# Altium PCB GridSeed_Rev04.PcbDoc (part 5 of 6) (continued)
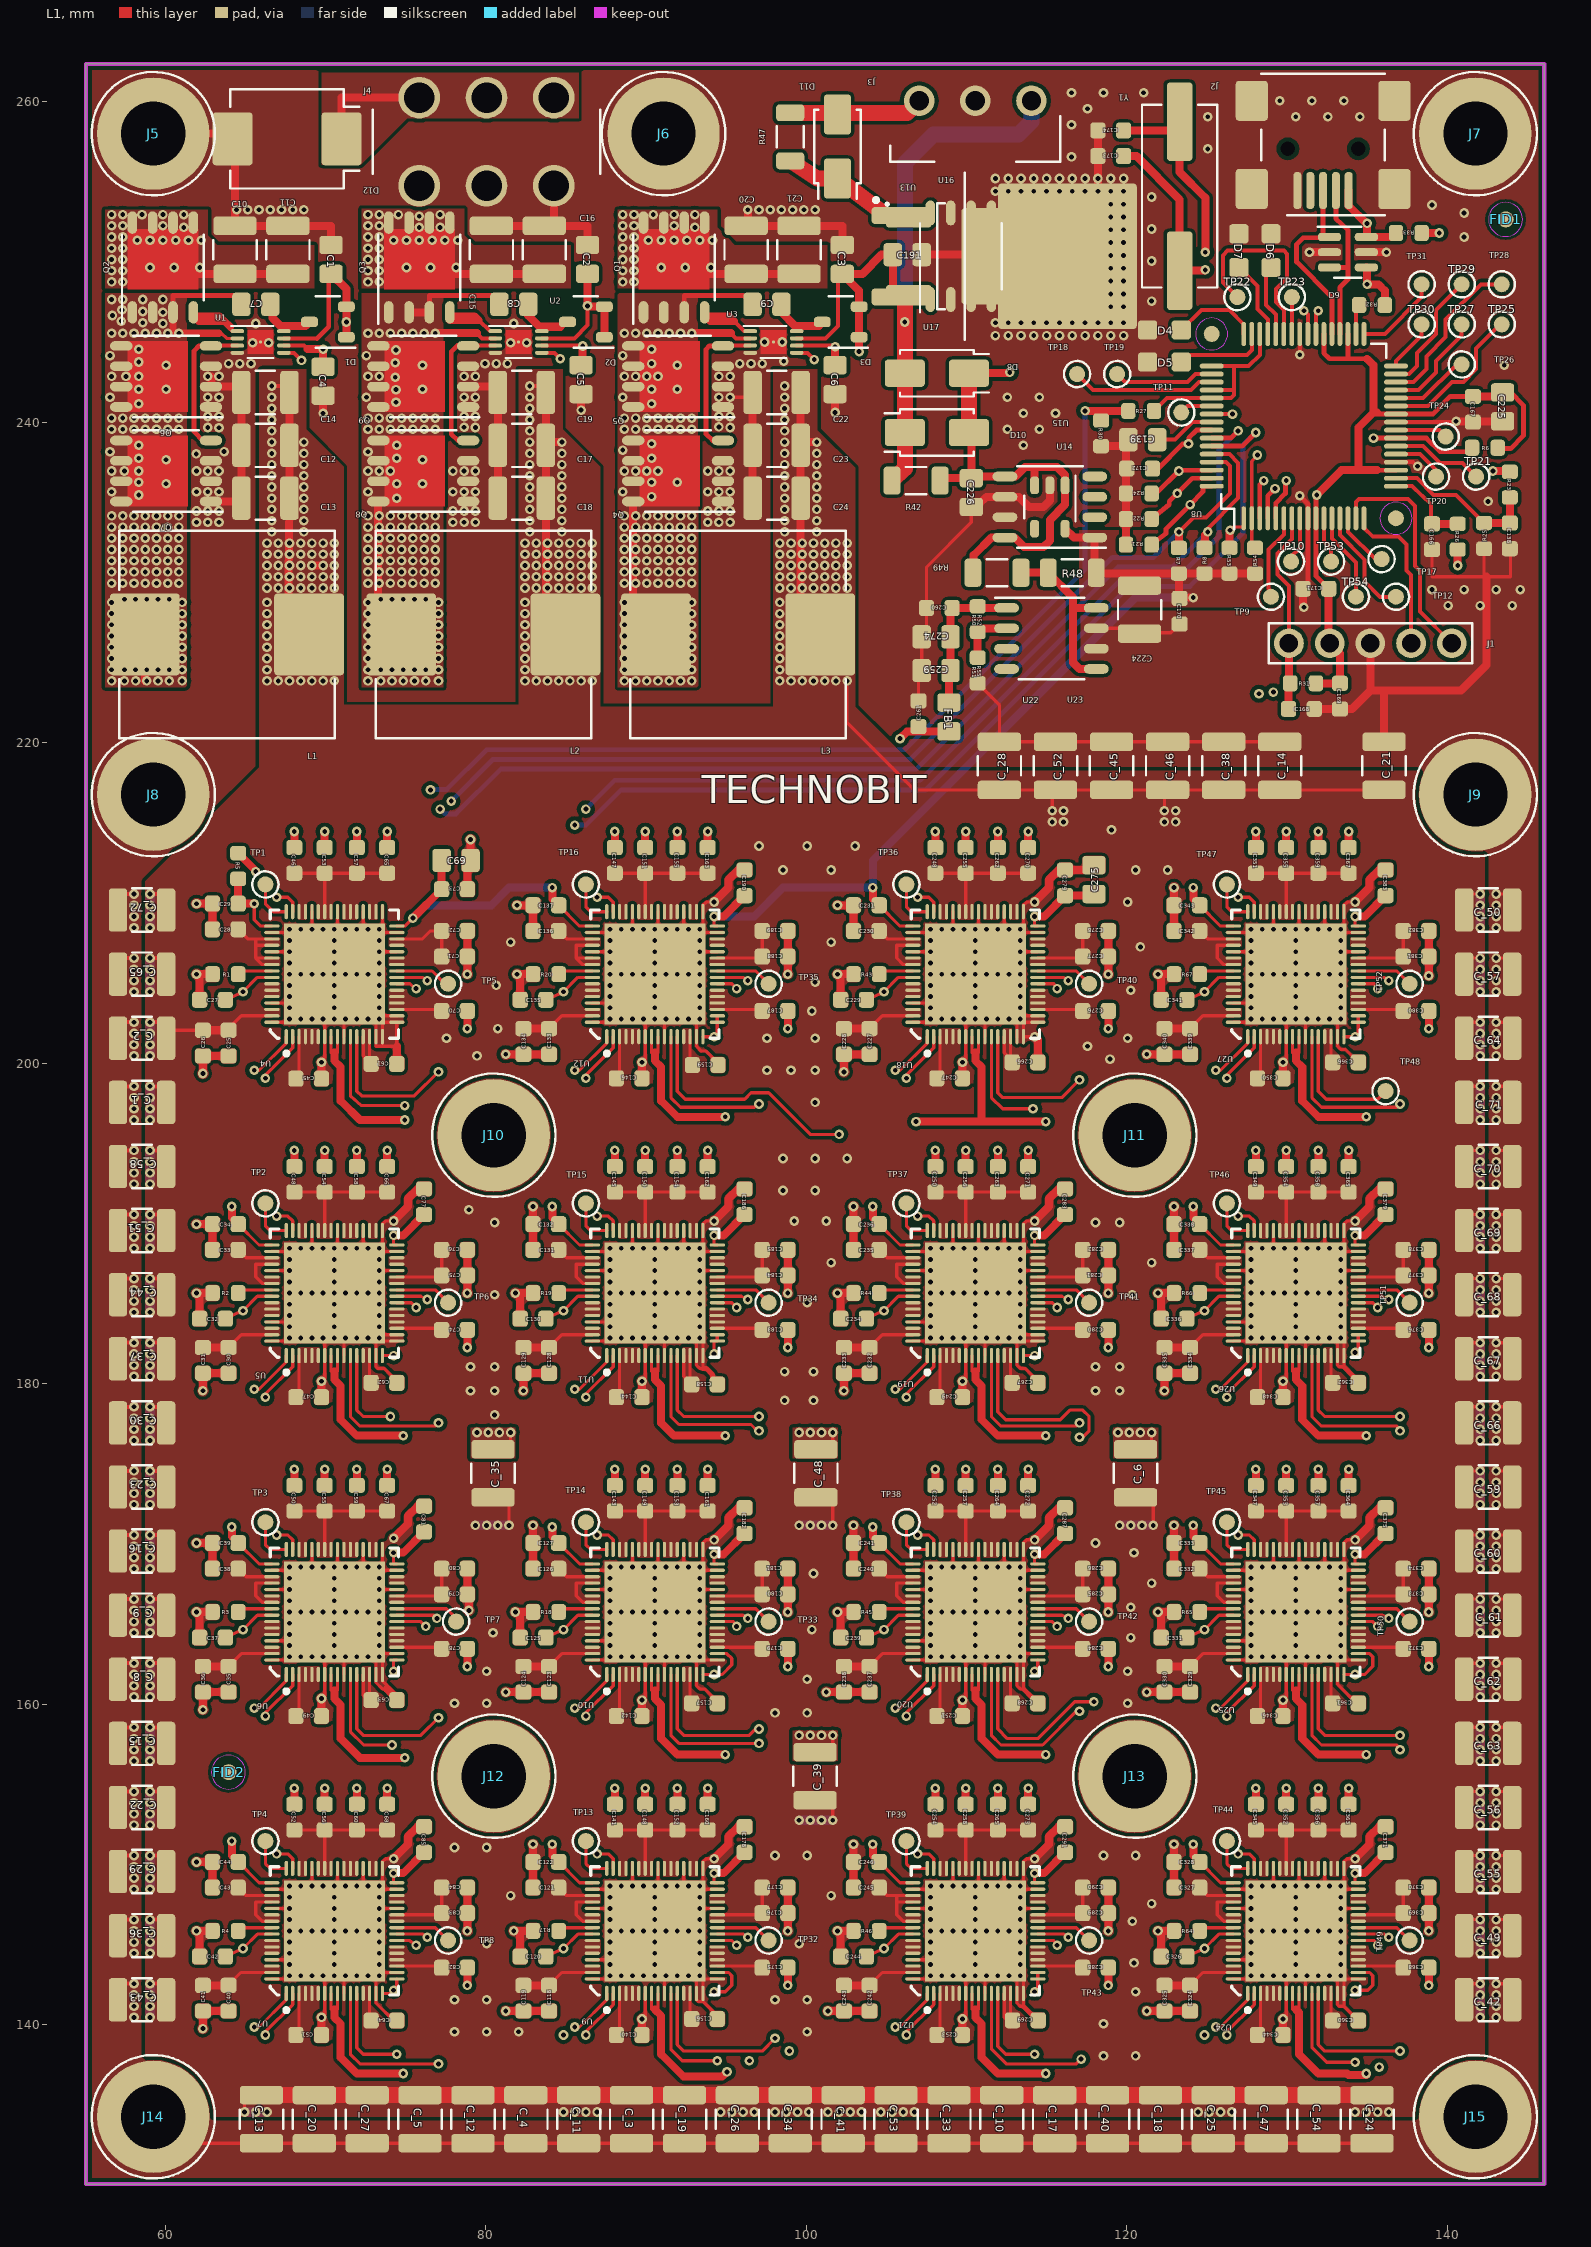
[diagram p0: L1 view]
## Nets (pads, with @x,y where several pads share a name; then routed paths per layer and width w, separated by ;. In a path a pad name is that pad's centre, name@x,y a point inside that pad or via, vN(x,y) a via of type N, cw(c..) or ccw(c..) an arc to the next point about the centre after c; other vN are vias at no path point) (continued)
PGC: J1.5 U8.15 | length 14.5
  L1 w0.25: U8.15@134.3,234 134.3,235 134.5,235.2 137.55,235.2 137.975,234.775 137.975,231.025 138.3,230.7 138.3,228.18 J1.5@140.28,226.2
PGD: J1.4 U8.16 | length 10
  L1 w0.25: U8.16@134.8,234 134.8,233.4 135.35,232.85 136.95,232.85 137.45,232.35 137.45,230.75 137.74,230.46 J1.4@137.74,226.2
PLL_SUP: C259.1 C260.1 C274.1 FB1.1 R50.1 R52.1 U22.1 U23.1 | length 9.7
  L1 w0.2: U23.1@112.45,228.405 U23.1@112.5,228.405 U23.1@112.551,228.405
  L1 w0.25: R52.1@110.65,228.405 R52.1@110.7,228.5
  L1 w0.5: FB1.1@108.9,222.5 108.9,224.4 C259.1@109,224.5 C274.1@109,226.6 109,228.3 109.105,228.405 R52.1@110.65,228.405 ; R52.1@110.7,228.5 110.65,228.45 R52.1@110.65,228.405 ; U23.1@112.45,228.405 R52.1@110.65,228.405 ; U23.1@112.551,228.405 U23.1@112.6,228.405
PWM2H: R22.1 U2.5 U8.63 | length 50.6
  L1 w0.25: U2.5@83.5,244.325 84.275,244.325 v1(84.65,243.95)
  L1 w0.3: R22.1@121.55,233.95 122.65,234.85 122.65,235.05 v1(123.15,235.55) 124.1,236.5 U8.63@125.3,236.5
  L3 w0.25: v1(84.65,243.95) 86.25,243.95 87.173,244.873 87.173,245.75 87.673,246.25 99.25,246.25 109.95,235.55 v1(123.15,235.55)
PWM2L: R24.1 U1.5 U8.62 | length 67.9
  L1 w0.25: U1.5@67.4,244.325 68.025,244.325 v1(68.5,243.85)
  L1 w0.3: R24.1@121.55,235.55 121.85,235.55 v1(123.25,236.95) 123.3,237 U8.62@125.3,237
  L3 w0.25: v1(68.5,243.85) 68.5,244.45 72.1,248.05 100.65,248.05 104.05,244.65 104.05,243.25 110.35,236.95 123.15,236.95 v1(123.25,236.95)
PWM3L: R21.1 U3.5 U8.64 | length 34.1
  L1 w0.25: U3.5@99.4,244.325 100.075,244.325 v1(100.5,243.9)
  L1 w0.3: R21.1@121.55,232.35 122.45,233.05 122.45,233.35 v1(123.95,234.85) 124.75,235.65 124.75,236 U8.64@125.3,236
  L3 w0.25: v1(100.5,243.9) 100.8,243.9 109.85,234.85 v1(123.95,234.85)
RED: D4.2 U8.48 | length 5.4
  L1 w0.25: D4.2@123.4,245.75 124.65,247 126.4,247 127.3,246.1 U8.48@127.3,245.5
RX_BTC_0: U4.1 U5.1 U6.1 U7.1 U8.59 U9.1 U10.1 U11.1 U12.1 | length 247.9
  L1 w0.2: v1(65.55,139.85) 65.85,139.85 67.55,141.55 U7.1@67.55,141.95 ; v1(65.55,159.75) 65.85,159.75 67.55,161.45 U6.1@67.55,161.85 ; v1(65.55,179.65) 65.85,179.65 67.55,181.35 U5.1@67.55,181.75 ; v1(65.55,199.55) 65.85,199.55 67.55,201.25 U4.1@67.55,201.65 ; v1(85.55,139.85) 85.85,139.85 87.55,141.55 U9.1@87.55,141.95 ; v1(85.55,159.75) 85.85,159.75 87.55,161.45 U10.1@87.55,161.85 ; v1(85.55,179.65) 85.85,179.65 87.55,181.35 U11.1@87.55,181.75 ; v1(85.55,199.55) 85.85,199.55 87.55,201.25 U12.1@87.55,201.65
  L1 w0.3: U8.59@125.3,238.5 127.2,238.5 v1(128.05,239.35)
  L2 w0.3: v1(65.55,139.85) v1(65.55,159.75) v1(65.55,179.65) v1(65.55,199.55) ; v1(85.55,139.85) v1(85.55,159.75) v1(85.55,179.65) v1(85.55,199.55) v1(85.55,214.85)
  L3 w0.3: v1(65.55,139.85) 65.55,137.85 68.95,134.45 82.45,134.45 87.05,139.05 87.05,139.75 86.55,140.25 85.95,140.25 v1(85.55,139.85)
  L4 w0.3: v1(85.55,214.85) 86.25,214.85 88.45,217.05 107.458,217.05 120.158,229.75 123.94,229.75 127.25,233.06 127.25,238.55 v1(128.05,239.35)
RX_BTC_1: U8.3 U18.1 U19.1 U20.1 U21.1 U24.1 U25.1 U26.1 U27.1 | length 211.2
  L1 w0.2: v1(105.55,139.85) 105.85,139.85 107.55,141.55 U21.1@107.55,141.95 ; v1(105.55,159.75) 105.85,159.75 107.55,161.45 U20.1@107.55,161.85 ; v1(105.55,179.65) 105.85,179.65 107.55,181.35 U19.1@107.55,181.75 ; v1(105.55,199.55) 105.85,199.55 107.55,201.25 U18.1@107.55,201.65 ; v1(125.55,139.85) 125.85,139.85 127.55,141.55 U24.1@127.55,141.95 ; v1(125.55,159.75) 125.85,159.75 127.55,161.45 U25.1@127.55,161.85 ; v1(125.55,179.65) 125.85,179.65 127.55,181.35 U26.1@127.55,181.75 ; v1(125.55,199.55) 125.85,199.55 127.55,201.25 U27.1@127.55,201.65
  L1 w0.3: U8.3@128.3,234 128.3,236.1 v1(128.55,236.35)
  L2 w0.3: v1(105.55,139.85) v1(105.55,159.75) v1(105.55,179.65) 105.55,192.05 104.85,192.75 104.85,197.95 105.55,198.65 v1(105.55,199.55) ; v1(125.55,139.85) v1(125.55,159.75) v1(125.55,179.65) v1(125.55,199.55) 125.55,230.452 128.55,233.452 v1(128.55,236.35)
  L3 w0.3: v1(105.55,139.85) 105.85,140.15 106.65,140.15 106.95,139.85 106.95,137.25 108.35,135.85 122.85,135.85 125.55,138.55 v1(125.55,139.85)
RX_LTC_0: U4.2 U5.2 U6.2 U7.2 U8.58 U9.2 U10.2 U11.2 U12.2 | length 242.4
  L1 w0.2: v1(66.25,139.35) 66.25,139.55 67.95,141.25 U7.2@67.95,141.95 ; v1(66.25,159.25) 66.25,159.45 67.95,161.15 U6.2@67.95,161.85 ; v1(66.25,179.15) 66.25,179.35 67.95,181.05 U5.2@67.95,181.75 ; v1(66.25,199.05) 66.25,199.25 67.95,200.95 U4.2@67.95,201.65 ; v1(86.25,139.35) 86.25,139.55 87.95,141.25 U9.2@87.95,141.95 ; v1(86.25,159.25) 86.25,159.45 87.95,161.15 U10.2@87.95,161.85 ; v1(86.25,179.15) 86.25,179.35 87.95,181.05 U11.2@87.95,181.75 ; v1(86.25,199.05) 86.25,199.25 87.95,200.95 U12.2@87.95,201.65
  L1 w0.3: U8.58@125.3,239 126.5,239 v1(126.95,239.45)
  L2 w0.3: v1(66.25,139.35) v1(66.25,159.25) v1(66.25,179.15) v1(66.25,199.05) ; v1(86.25,139.35) v1(86.25,159.25) v1(86.25,179.15) v1(86.25,199.05) v1(86.25,215.85)
  L3 w0.3: v1(66.25,139.35) 66.25,138.05 69.25,135.05 81.95,135.05 v1(86.25,139.35)
  L4 w0.3: v1(86.25,215.85) 88.05,217.65 107.105,217.65 119.805,230.35 123.24,230.35 125.75,232.86 125.75,238.25 v1(126.95,239.45)
RX_LTC_1: U8.4 U18.2 U19.2 U20.2 U21.2 U24.2 U25.2 U26.2 U27.2 | length 212
  L1 w0.2: v1(106.25,139.35) 106.25,139.55 107.95,141.25 U21.2@107.95,141.95 ; v1(106.25,159.25) 106.25,159.45 107.95,161.15 U20.2@107.95,161.85 ; v1(106.25,179.15) 106.25,179.35 107.95,181.05 U19.2@107.95,181.75 ; v1(106.25,199.05) 106.25,199.25 107.95,200.95 U18.2@107.95,201.65 ; v1(126.25,139.35) 126.25,139.55 127.95,141.25 U24.2@127.95,141.95 ; v1(126.25,159.25) 126.25,159.45 127.95,161.15 U25.2@127.95,161.85 ; v1(126.25,179.15) 126.25,179.35 127.95,181.05 U26.2@127.95,181.75 ; v1(126.25,199.05) 126.25,199.25 127.95,200.95 U27.2@127.95,201.65
  L1 w0.3: U8.4@128.8,234 128.8,235.4 v1(129.25,235.85)
  L2 w0.3: v1(106.25,139.35) v1(106.25,159.25) v1(106.25,179.15) 106.25,192.55 105.45,193.35 105.45,197.35 106.25,198.15 v1(106.25,199.05) ; v1(126.25,139.35) v1(126.25,159.25) v1(126.25,179.15) v1(126.25,199.05) 126.25,230.25 129.25,233.25 v1(129.25,235.85)
  L3 w0.3: v1(106.25,139.35) 106.25,136.95 107.95,135.25 123.15,135.25 126.25,138.35 v1(126.25,139.35)
SWN1: C7.2 L1.1 Q2.1 Q2.2 Q2.3 Q6.5 Q6.6 Q6.7 Q6.8 Q7.5 Q7.6 Q7.7 Q7.8 U1.2 | length 14
  L1 w0.2: 63.35,245.55 63.5,245.55 63.825,245.225 U1.2@64.5,245.225
  L1 w0.3: Q2.3@60.485,246.63 Q2.3@60.485,246.85 60.485,247.9 64.2,247.9 C7.2@64.75,247.35
  L1 w0.45: Q2.3@60.485,246.63 60.485,245.625 60.57,245.54 60.58,245.55 v1(60.85,245.55) 63.35,245.55
  L1 w0.5: L1.1@58.725,226.75 58.725,223.85 v1(58.85,223.85)
  other v1: 56.65,223.85 57.45,223.85 58.15,223.85 59.55,223.85 60.25,223.85 61.05,223.85 56.65,224.55 57.45,224.55 58.15,224.55 58.85,224.55 59.55,224.55 60.25,224.55 61.05,224.55 56.65,225.25 61.05,225.25 56.65,225.95 61.05,225.95 56.65,226.65 61.05,226.65 56.65,227.35 61.05,227.35 56.65,228.05 61.05,228.05 56.65,228.75 61.05,228.75 57.45,228.95 58.15,228.95 58.85,228.95 59.55,228.95 60.25,228.95 56.65,229.95 57.35,229.95 58.05,229.95 58.75,229.95 59.45,229.95 60.15,229.95 60.85,229.95 56.65,230.65 57.35,230.65 58.05,230.65 58.75,230.65 59.45,230.65 60.15,230.65 60.85,230.65 56.65,231.35 57.35,231.35 58.05,231.35 58.75,231.35 59.45,231.35 60.15,231.35 60.85,231.35 56.65,232.05 57.35,232.05 58.05,232.05 58.75,232.05 59.45,232.05 60.15,232.05 60.85,232.05 56.65,232.75 57.35,232.75 58.05,232.75 58.75,232.75 59.45,232.75 60.15,232.75 60.85,232.75 56.65,233.45 57.35,233.45 58.05,233.45 58.75,233.45 59.45,233.45 60.15,233.45 60.85,233.45 56.65,234.15 57.35,234.15 58.05,234.15 58.75,234.15 59.45,234.15 60.15,234.15 60.85,234.15 58.35,235.45 56.65,235.65 60.05,236.15 58.35,236.25 56.65,236.95 57.45,236.95 58.35,236.95 60.05,237.65 58.35,237.75 56.55,238.15 58.35,238.55 56.65,239.55 57.35,239.55 58.05,239.55 58.75,239.55 59.45,239.55 60.15,239.55 60.85,239.55 56.65,240.25 57.35,240.25 58.05,240.25 58.75,240.25 59.45,240.25 60.15,240.25 60.85,240.25 58.35,241.15 56.55,241.55 58.35,242.05 60.05,242.05 56.65,242.85 57.55,242.85 58.35,242.85 60.05,243.55 58.35,243.75 56.55,244.15 58.35,244.55 56.65,245.55 57.35,245.55 58.05,245.55 58.75,245.55 59.45,245.55 60.15,245.55 59.85,246.15 58.6,246.2 57.25,246.3 56.7,246.65 59.85,246.85 58.6,246.9 57.3,247 56.65,247.65 57.35,247.65 58.6,247.65 59.85,247.65
SWN2: C8.2 L2.1 Q3.1 Q3.2 Q3.3 Q8.5 Q8.6 Q8.7 Q8.8 Q9.5 Q9.6 Q9.7 Q9.8 U2.2 | length 20.7
  L1 w0.25: 79.458,245.55 79.758,245.225 U2.2@80.6,245.225
  L1 w0.3: Q3.3@76.485,247.2 76.485,247.9 80.3,247.9 C8.2@80.85,247.35
  L1 w0.5: Q8.8@73.3,235.045 73.28,235.045 73.28,233.45 73.28,231.35 73.28,226.75 73.28,226.65 73.38,226.75 L2.1@74.725,226.75 ; Q3.2@75.215,246.85 Q3.3@76.485,246.85 Q3.3@76.485,247.2 ; v1(76.85,245.55) 79.458,245.55
  other v1: 72.65,223.85 73.45,223.85 74.15,223.85 74.85,223.85 75.55,223.85 76.25,223.85 77.05,223.85 72.65,224.55 73.45,224.55 74.15,224.55 74.85,224.55 75.55,224.55 76.25,224.55 77.05,224.55 72.65,225.25 77.05,225.25 72.65,225.95 77.05,225.95 72.65,226.65 77.05,226.65 72.65,227.35 77.05,227.35 72.65,228.05 77.05,228.05 72.65,228.75 77.05,228.75 73.45,228.95 74.15,228.95 74.85,228.95 75.55,228.95 76.25,228.95 72.65,229.95 73.35,229.95 74.05,229.95 74.75,229.95 75.45,229.95 76.15,229.95 76.85,229.95 72.65,230.65 73.35,230.65 74.05,230.65 74.75,230.65 75.45,230.65 76.15,230.65 76.85,230.65 72.65,231.35 73.35,231.35 74.05,231.35 74.75,231.35 75.45,231.35 76.15,231.35 76.85,231.35 72.65,232.05 73.35,232.05 74.05,232.05 74.75,232.05 75.45,232.05 76.15,232.05 76.85,232.05 72.65,232.75 73.35,232.75 74.05,232.75 74.75,232.75 75.45,232.75 76.15,232.75 76.85,232.75 72.65,233.45 73.35,233.45 74.05,233.45 74.75,233.45 75.45,233.45 76.15,233.45 76.85,233.45 72.65,234.15 73.35,234.15 74.05,234.15 74.75,234.15 75.45,234.15 76.15,234.15 76.85,234.15 74.45,235.25 72.65,235.65 74.45,236.15 76.05,236.15 72.65,236.95 73.35,236.95 74.05,236.95 76.05,237.65 74.45,237.75 72.65,238.15 74.45,238.55 72.65,239.55 73.35,239.55 74.05,239.55 74.75,239.55 75.45,239.55 76.15,239.55 76.85,239.55 72.65,240.25 73.35,240.25 74.05,240.25 74.75,240.25 75.45,240.25 76.15,240.25 76.85,240.25 74.4,241.242 72.55,241.55 74.4,242.026 76.05,242.05 74.35,242.8 72.65,242.85 73.35,242.85 76.05,243.55 74.35,243.7 72.55,244.15 74.4,244.5 72.65,245.55 73.35,245.55 74.05,245.55 74.75,245.55 75.45,245.55 76.15,245.55
SWN3: C9.2 L3.1 Q1.1 Q1.2 Q1.3 Q4.5 Q4.6 Q4.7 Q4.8 Q5.5 Q5.6 Q5.7 Q5.8 U3.2 | length 19.1
  L1 w0.2: Q4.8@89.18,235.045 Q4.8@89.2,235.045
  L1 w0.25: 95.3,245.55 95.625,245.225 U3.2@96.5,245.225
  L1 w0.3: Q1.3@92.385,246.85 92.385,247.9 96.1,247.9 C9.2@96.65,247.35
  L1 w0.5: Q4.8@89.18,235.045 89.18,231.35 89.18,229.95 89.18,226.75 L3.1@90.625,226.75 ; v1(92.85,245.55) 95.3,245.55
  other v1: 88.65,223.85 89.35,223.85 90.05,223.85 90.75,223.85 91.45,223.85 92.15,223.85 92.85,223.85 88.65,224.55 92.85,224.55 88.65,225.25 92.85,225.25 88.65,225.95 92.85,225.95 88.65,226.65 92.85,226.65 88.65,227.35 92.85,227.35 88.65,228.05 92.85,228.05 88.65,228.75 92.85,228.75 88.65,229.95 89.35,229.95 90.05,229.95 90.75,229.95 91.45,229.95 92.15,229.95 92.85,229.95 88.65,230.65 89.35,230.65 90.05,230.65 90.75,230.65 91.45,230.65 92.15,230.65 92.85,230.65 88.65,231.35 89.35,231.35 90.05,231.35 90.75,231.35 91.45,231.35 92.15,231.35 92.85,231.35 88.65,232.05 89.35,232.05 90.05,232.05 90.75,232.05 91.45,232.05 92.15,232.05 92.85,232.05 88.65,232.75 89.35,232.75 90.05,232.75 90.75,232.75 91.45,232.75 92.15,232.75 92.85,232.75 88.65,233.45 89.35,233.45 90.05,233.45 90.75,233.45 91.45,233.45 92.15,233.45 92.85,233.45 88.65,234.15 89.35,234.15 90.05,234.15 90.75,234.15 91.45,234.15 92.15,234.15 92.85,234.15 90.35,235.35 88.55,235.65 90.35,236.25 91.95,236.25 88.65,236.95 89.35,236.95 90.05,236.95 90.75,236.95 90.35,237.75 88.55,238.25 90.35,238.65 88.65,239.55 89.35,239.55 90.05,239.55 90.75,239.55 91.45,239.55 92.15,239.55 92.85,239.55 88.65,240.25 89.35,240.25 90.05,240.25 90.75,240.25 91.45,240.25 92.15,240.25 92.85,240.25 90.35,241.15 88.55,241.55 90.35,242.05 91.95,242.05 88.65,242.85 89.35,242.85 90.05,242.85 90.75,242.85 91.95,243.55 90.35,243.65 88.55,244.15 90.35,244.55 88.65,245.55 89.35,245.55 90.05,245.55 90.75,245.55 91.45,245.55 92.15,245.55
TP1011: TP5.1 U4.25 | length 3.5
  L1 w0.2: U4.25@74.45,205.75 76.65,205.75 77.45,204.95 TP5.1@77.65,204.95
TP1012: TP6.1 U5.25 | length 3.5
  L1 w0.2: U5.25@74.45,185.85 76.85,185.85 TP6.1@77.65,185.05
TP1013: TP7.1 U6.25 | length 4.1
  L1 w0.2: U6.25@74.45,165.95 77.55,165.95 78.15,165.35 TP7.1@78.15,165.15
TP1014: TP8.1 U7.25 | length 3.5
  L1 w0.2: U7.25@74.45,146.05 76.85,146.05 TP8.1@77.65,145.25
TP1015: TP32.1 U9.25 | length 3.5
  L1 w0.2: U9.25@94.45,146.05 96.85,146.05 TP32.1@97.65,145.25
TP1016: TP33.1 U10.25 | length 3.5
  L1 w0.2: U10.25@94.45,165.95 96.85,165.95 TP33.1@97.65,165.15
TP1017: TP34.1 U11.25 | length 3.5
  L1 w0.2: U11.25@94.45,185.85 96.85,185.85 TP34.1@97.65,185.05
TP1018: TP35.1 U12.25 | length 3.5
  L1 w0.2: U12.25@94.45,205.75 96.85,205.75 TP35.1@97.65,204.95
TP1019: TP40.1 U18.25 | length 3.5
  L1 w0.2: U18.25@114.45,205.75 116.85,205.75 TP40.1@117.65,204.95
TP10110: TP41.1 U19.25 | length 3.5
  L1 w0.2: U19.25@114.45,185.85 116.85,185.85 TP41.1@117.65,185.05
TP10111: TP42.1 U20.25 | length 3.5
  L1 w0.2: U20.25@114.45,165.95 116.85,165.95 TP42.1@117.65,165.15
TP10112: TP43.1 U21.25 | length 3.5
  L1 w0.2: U21.25@114.45,146.05 116.85,146.05 TP43.1@117.65,145.25
TP10113: TP49.1 U24.25 | length 3.5
  L1 w0.2: U24.25@134.45,146.05 136.85,146.05 TP49.1@137.65,145.25
TP10114: TP50.1 U25.25 | length 3.5
  L1 w0.2: U25.25@134.45,165.95 136.85,165.95 TP50.1@137.65,165.15
TP10115: TP51.1 U26.25 | length 3.5
  L1 w0.2: U26.25@134.45,185.85 136.85,185.85 TP51.1@137.65,185.05
TP10116: TP52.1 U27.25 | length 3.5
  L1 w0.2: U27.25@134.45,205.75 136.85,205.75 TP52.1@137.65,204.95
TP_1001: TP1.1 U4.48 | length 2.7
  L1 w0.2: TP1.1@66.25,211.15 66.25,209.95 66.75,209.45 U4.48@67.55,209.45
TP_1002: TP2.1 U5.48 | length 2.8
  L1 w0.2: TP2.1@66.25,191.25 66.25,189.85 66.55,189.55 U5.48@67.55,189.55
TP_1003: TP3.1 U6.48 | length 2.8
  L1 w0.2: TP3.1@66.25,171.35 66.25,169.95 66.55,169.65 U6.48@67.55,169.65
TP_1004: TP4.1 U7.48 | length 2.8
  L1 w0.2: TP4.1@66.25,151.45 66.25,150.05 66.55,149.75 U7.48@67.55,149.75
TP_1005: TP13.1 U9.48 | length 2.8
  L1 w0.2: TP13.1@86.25,151.45 86.25,150.05 86.55,149.75 U9.48@87.55,149.75
TP_1006: TP14.1 U10.48 | length 2.8
  L1 w0.2: TP14.1@86.25,171.35 86.25,169.95 86.55,169.65 U10.48@87.55,169.65
TP_1007: TP15.1 U11.48 | length 2.8
  L1 w0.2: TP15.1@86.25,191.25 86.25,189.85 86.55,189.55 U11.48@87.55,189.55
TP_1008: TP16.1 U12.48 | length 2.8
  L1 w0.2: TP16.1@86.25,211.15 86.25,209.75 86.55,209.45 U12.48@87.55,209.45
TP_1009: TP36.1 U18.48 | length 2.8
  L1 w0.2: TP36.1@106.25,211.15 106.25,209.75 106.55,209.45 U18.48@107.55,209.45
TP_10010: TP37.1 U19.48 | length 2.8
  L1 w0.2: TP37.1@106.25,191.25 106.25,189.85 106.55,189.55 U19.48@107.55,189.55
TP_10011: TP38.1 U20.48 | length 2.8
  L1 w0.2: TP38.1@106.25,171.35 106.25,169.95 106.55,169.65 U20.48@107.55,169.65
TP_10012: TP39.1 U21.48 | length 2.8
  L1 w0.2: TP39.1@106.25,151.45 106.25,150.05 106.55,149.75 U21.48@107.55,149.75
TP_10013: TP44.1 U24.48 | length 2.8
  L1 w0.2: TP44.1@126.25,151.45 126.25,150.05 126.55,149.75 U24.48@127.55,149.75
TP_10014: TP45.1 U25.48 | length 2.8
  L1 w0.2: TP45.1@126.25,171.35 126.25,169.95 126.55,169.65 U25.48@127.55,169.65
TP_10015: TP46.1 U26.48 | length 2.8
  L1 w0.2: TP46.1@126.25,191.25 126.25,189.85 126.55,189.55 U26.48@127.55,189.55
TP_10016: TP47.1 U27.48 | length 2.8
  L1 w0.2: TP47.1@126.25,211.15 126.25,209.75 126.55,209.45 U27.48@127.55,209.45
TX_BTC_0: R7.1 U4.24 U5.24 U6.24 U7.24 U8.61 U9.24 U10.24 U11.24 U12.24 | length 251.3
  L1 w0.2: U7.24@74.45,145.65 76.05,145.65 v1(76.35,145.45) ; U6.24@74.45,165.55 76.75,165.55 v1(76.95,165.35) ; U5.24@74.45,185.45 75.95,185.45 v1(76.35,185.25) ; U4.24@74.45,205.35 76.05,205.35 v1(76.35,205.15) ; U9.24@94.45,145.65 96.05,145.65 v1(96.35,145.45) ; U10.24@94.45,165.55 96.05,165.55 v1(96.35,165.35) ; U11.24@94.45,185.45 95.95,185.45 v1(96.35,185.25) ; U12.24@94.45,205.35 96.05,205.35 v1(96.35,205.15)
  L1 w0.25: v1(123.25,233.15) 124.15,234.05 124.95,234.05 126.45,235.55 126.45,237.25 126.2,237.5 U8.61@125.3,237.5
  L1 w0.5: R7.1@123.25,232.15 v1(123.25,233.15)
  L2 w0.3: v1(96.35,145.45) 96.35,137.851 96.401,137.801 v1(96.45,137.75)
  L3 w0.3: v1(77.85,216.35) 77.85,208.35 76.35,206.85 76.35,205.156 v1(76.35,205.15) v1(76.35,185.25) 76.35,177.05 76.95,176.45 v1(76.95,165.35) 76.95,160.75 76.254,160.054 76.254,145.572 v1(76.35,145.45) 76.35,136.95 77.05,136.25 81.25,136.25 83.45,138.45 83.45,140.747 84.753,142.05 87.347,142.05 88.95,140.447 88.95,139.45 89.95,138.45 94.92,138.45 95.62,137.75 v1(96.45,137.75) ; v1(96.35,145.45) v1(96.35,165.35) v1(96.35,185.25) v1(96.35,205.15)
  L4 w0.3: v1(77.85,216.35) 80.45,218.95 106.496,218.95 119.096,231.55 121.65,231.55 v1(123.25,233.15)
TX_BTC_1: R53.1 U8.1 U18.24 U19.24 U20.24 U21.24 U24.24 U25.24 U26.24 U27.24 | length 239.8
  L1 w0.2: U21.24@114.45,145.65 116.05,145.65 v1(116.35,145.45) ; U20.24@114.45,165.55 115.95,165.55 v1(116.35,165.35) ; U19.24@114.45,185.45 115.95,185.45 v1(116.35,185.25) ; U18.24@114.45,205.35 116.05,205.35 v1(116.35,205.15) ; v1(126.45,233.25) 126.65,233.45 127.3,233.45 U8.1@127.3,234 ; U24.24@134.45,145.65 136.05,145.65 v1(136.35,145.45) ; U25.24@134.45,165.55 135.95,165.55 v1(136.35,165.35) ; U26.24@134.45,185.45 135.95,185.45 v1(136.35,185.25) ; U27.24@134.45,205.35 136.05,205.35 v1(136.35,205.15)
  L1 w0.5: R53.1@126.407,232.15 126.407,233.207 v1(126.45,233.25)
  L2 w0.3: v1(126.45,233.25) 126.5,233.25 127.1,233.85 127.1,238 127.75,238.65 132.35,238.65 134.35,240.65 136.05,240.65 136.95,239.75 136.95,237.05 132.45,232.55 131.35,232.55 128.25,229.45 128.25,224.45 129.15,223.55 v1(129.15,223.15) ; v1(135.75,137.35) 135.75,138.65 136.35,139.25 v1(136.35,145.45)
  L3 w0.3: v1(116.35,205.15) v1(116.35,185.25) v1(116.35,165.35) v1(116.35,145.45) 116.35,137.55 116.85,137.05 122.25,137.05 123.45,138.25 123.45,141.1 124.15,141.8 126.7,141.8 128.25,140.25 128.25,138.55 130.55,136.25 135.24,136.25 135.75,136.76 v1(135.75,137.35) ; v1(129.15,223.15) 136.35,215.95 v1(136.35,205.15) v1(136.35,185.25) v1(136.35,165.35) v1(136.35,145.45)
TX_LTC_0: R8.2 U4.23 U5.23 U6.23 U7.23 U8.60 U9.23 U10.23 U11.23 U12.23 | length 253.4
  L1 w0.2: U7.23@74.45,145.25 75.25,145.25 v1(75.65,144.95) ; U6.23@74.45,165.15 75.95,165.15 v1(76.25,164.85) ; U5.23@74.45,185.05 75.35,185.05 v1(75.65,184.75) ; U4.23@74.45,204.95 75.25,204.95 v1(75.65,204.65) ; U9.23@94.45,145.25 95.35,145.25 v1(95.65,144.95) ; U10.23@94.45,165.15 95.45,165.15 v1(95.65,164.85) ; U11.23@94.45,185.05 95.35,185.05 v1(95.65,184.75) ; U12.23@94.45,204.95 95.35,204.95 v1(95.65,204.65) ; v1@125.043,233.115 125.05,233.122 v1(125.05,233.15)
  L1 w0.25: v1@125.043,233.115 125.043,233.343 126.95,235.25 126.95,237.45 126.4,238 U8.60@125.3,238
  L1 w0.5: R8.2@124.85,232.15 124.854,232.154 124.854,232.616 124.869,232.631 124.869,232.941 v1@125.043,233.115
  L3 w0.3: v1(77.15,215.85) 77.15,208.55 75.645,207.045 75.645,204.655 v1(75.65,204.65) v1(75.65,184.75) 75.65,176.849 76.249,176.25 v1(76.25,164.85) 76.25,160.95 75.65,160.35 v1(75.65,144.95) 75.65,143.499 75.75,143.399 75.75,136.601 76.701,135.65 81.599,135.65 84.05,138.101 84.05,140.499 85.001,141.45 87.099,141.45 88.25,140.299 88.25,137.85 89.75,136.35 96.95,136.35 97.75,137.15 97.75,138.45 95.65,140.55 v1(95.65,144.95) v1(95.65,164.85) v1(95.65,184.75) v1(95.65,204.65)
  L4 w0.3: v1(77.15,215.85) 77.45,215.55 78.139,215.55 80.939,218.35 106.851,218.35 119.451,230.95 122.85,230.95 v1(125.05,233.15)
TX_LTC_1: R54.2 U8.2 U18.23 U19.23 U20.23 U21.23 U24.23 U25.23 U26.23 U27.23 | length 232.3
  L1 w0.2: U21.23@114.45,145.25 115.45,145.25 v1(115.65,144.95) ; U20.23@114.45,165.15 115.35,165.15 v1(115.65,164.85) ; U19.23@114.45,185.05 115.35,185.05 v1(115.65,184.75) ; U18.23@114.45,204.95 115.45,204.95 v1(115.65,204.65) ; R54.2@128.007,232.15 127.8,232.15 U8.2@127.8,234 127.8,237.55 v1(128.15,237.95) ; U24.23@134.45,145.25 135.45,145.25 v1(135.65,144.95) ; U25.23@134.45,165.15 135.35,165.15 v1(135.65,164.85) ; U26.23@134.45,185.05 135.35,185.05 v1(135.65,184.75) ; U27.23@134.45,204.95 135.45,204.95 v1(135.65,204.65)
  L2 w0.3: v1(128.15,237.95) 132.75,237.95 134.75,239.95 135.75,239.95 136.25,239.45 136.25,237.35 132.05,233.15 130.95,233.15 127.55,229.75 127.55,223.75 v1(128.25,223.05)
  L3 w0.3: v1(115.65,204.65) v1(115.65,184.75) v1(115.65,164.85) v1(115.65,144.95) 115.65,137.35 116.55,136.45 122.499,136.45 124.05,138.001 124.05,140.349 124.901,141.2 126.349,141.2 127.65,139.899 127.65,138.25 130.25,135.65 135.488,135.65 136.45,136.612 136.45,137.8 135.65,138.6 v1(135.65,144.95) v1(135.65,164.85) v1(135.65,184.75) v1(135.65,204.65) 135.65,215.65 v1(128.25,223.05)
USB5.0V: D9.4 D9.6 J2.1 R32.1 R33.2 | length 12.6
  L1 w0.5: J2.1@133.85,254.45 133.85,253.5 134.95,252.4 v1(135,252.4) 135,251.6 D9.6@134.95,251.55 136.8,251.55 R33.2@136.8,251.8 ; D9.4@134.95,249.65 135,249.6 v1(135,248.6) 135.7,248.6 136.1,248.2 R32.1@136.1,247.3
  L2 w0.5: v1(135,248.6) v1(135,252.4)
VCAP: C139.1 U8.56 | length 3.9
  L1 w0.25: C139.1@121.9,238.9 123,238.9 124.1,240 U8.56@125.3,240
VDD_PLL: C261.1 FB1.2 U4.8 U4.9 U5.8 U5.9 U6.8 U6.9 U7.8 U7.9 U9.8 U9.9 U10.8 U10.9 U11.8 U11.9 U12.8 U12.9 U18.8 U18.9 U19.8 U19.9 U20.8 U20.9 U21.8 U21.9 U24.8 U24.9 U25.8 U25.9 U26.8 U26.9 U27.8 U27.9 | length 499.3
  L1 w0.2: U7.8@70.35,141.95 70.35,140.95 70.55,140.95 70.75,140.95 U7.9@70.75,141.95 ; U6.8@70.35,161.85 70.35,160.85 70.55,160.85 70.75,160.85 U6.9@70.75,161.85 ; U5.8@70.35,181.75 70.35,180.75 70.55,180.75 70.75,180.75 U5.9@70.75,181.75 ; U4.8@70.35,201.65 70.35,200.65 70.55,200.65 70.75,200.65 U4.9@70.75,201.65 ; U9.8@90.35,141.95 90.35,140.95 90.55,140.95 90.75,140.95 U9.9@90.75,141.95 ; U10.8@90.35,161.85 90.35,160.85 90.55,160.85 90.75,160.85 U10.9@90.75,161.85 ; U11.8@90.35,181.75 90.35,180.75 90.55,180.75 90.75,180.75 U11.9@90.75,181.75 ; U12.8@90.35,201.65 90.35,200.65 90.55,200.65 90.75,200.65 U12.9@90.75,201.65 ; U21.8@110.35,141.95 110.35,140.95 110.55,140.95 110.75,140.95 U21.9@110.75,141.95 ; U20.8@110.35,161.85 110.35,160.85 110.55,160.85 110.75,160.85 U20.9@110.75,161.85 ; U19.8@110.35,181.75 110.35,180.75 110.55,180.75 110.75,180.75 U19.9@110.75,181.75 ; U18.8@110.35,201.65 110.35,200.65 110.55,200.65 110.75,200.65 U18.9@110.75,201.65 ; U24.8@130.35,141.95 130.35,140.95 130.55,140.95 130.75,140.95 U24.9@130.75,141.95 ; U25.8@130.35,161.85 130.35,160.85 130.55,160.85 130.75,160.85 U25.9@130.75,161.85 ; U26.8@130.35,181.75 130.35,180.75 130.55,180.75 130.75,180.75 U26.9@130.75,181.75 ; U27.8@130.35,201.65 130.35,200.65 130.55,200.65 130.75,200.65 U27.9@130.75,201.65
  L1 w0.5: 70.55,140.95 70.55,140.45 70.95,140.05 70.95,137.95 71.95,136.95 v1(74.85,136.95) ; 70.55,160.85 70.55,160.35 70.95,159.95 70.95,157.85 72.15,156.65 v1(74.95,156.65) ; 70.55,180.75 70.55,180.25 70.95,179.85 70.95,177.75 71.95,176.75 v1(74.85,176.75) ; 70.55,200.65 70.55,200.15 70.95,199.75 70.95,197.65 72.15,196.45 v1(74.95,196.45) ; 90.55,140.95 90.95,140.55 90.95,138.15 92.35,136.75 94.75,136.75 v1(95.05,137.05) ; 90.55,160.85 90.55,160.35 90.95,159.95 90.95,157.85 91.95,156.85 v1(94.95,156.85) ; 90.55,180.75 90.55,180.25 90.95,179.85 90.95,177.55 91.75,176.75 v1(94.95,176.75) ; 90.55,200.65 90.55,200.15 90.95,199.75 90.95,197.65 91.95,196.65 v1(94.95,196.65) ; v1(105.85,220.25) 106.3,220.7 C261.1@107,220.7 ; v1(106.85,196.35) 110.95,196.35 ; C261.1@107,221 C261.1@107,220.7 ; FB1.2@108.9,220.7 C261.1@107,220.7 ; 110.55,140.95 110.55,140.45 110.95,140.05 110.95,137.95 111.95,136.95 v1(114.95,136.95) ; 110.55,160.85 110.55,160.35 110.95,159.95 110.95,157.85 111.95,156.85 v1(114.95,156.85) ; 110.55,180.75 110.55,180.25 110.95,179.85 110.95,177.75 111.95,176.75 v1(114.95,176.75) ; 110.55,200.65 110.55,200.15 110.95,199.75 110.95,196.35 ; v1(114.95,196.35) 110.95,196.35 ; 130.55,140.95 130.75,140.75 130.75,138.15 131.95,136.95 133.75,136.95 133.85,136.85 134.95,136.85 v1(134.95,136.95) ; 130.55,160.85 130.55,160.35 130.95,159.95 130.95,157.85 131.95,156.85 v1(134.95,156.85) ; 130.55,180.75 130.55,180.25 130.95,179.85 130.95,177.75 131.95,176.75 v1(134.95,176.75) ; 130.55,200.65 130.55,200.15 130.95,199.75 130.95,197.65 131.95,196.65 v1(134.95,196.65)
  L2 w0.3: v1(74.85,136.95) 75.396,136.404 76.15,135.65 93.65,135.65 v1(95.05,137.05) 95.676,136.424 95.75,136.35 114.35,136.35 v1(114.95,136.95) 116.25,135.65 126.15,135.65 127.45,136.95 v1(134.95,136.95) ; v1(105.85,220.25) 105.85,212.75 107.65,210.95 107.65,209.85 106.35,208.55 106.35,201.35 107.55,200.15 107.55,197.05 v1(106.85,196.35)
  L3 w0.3: v1(74.85,136.95) 75.15,137.25 75.15,142.25 74.95,142.45 v1(74.95,156.65) ; v1(74.95,196.45) 74.95,176.85 v1(74.85,176.75) 75.55,176.05 75.55,161.25 74.947,160.647 v1@74.947,156.75 ; v1(94.95,196.65) v1(94.95,176.75) v1(94.95,156.85) 94.95,140.35 97.15,138.15 97.15,137.45 96.75,137.05 v1(95.05,137.05) ; v1(114.95,136.95) v1(114.95,156.85) v1(114.95,176.75) v1(114.95,196.35) ; v1(134.95,136.95) v1(134.95,156.85) v1(134.95,176.75) v1(134.95,196.65) ; v1@74.947,156.75 74.95,156.747 v1(74.95,156.65) ; v1@74.947,156.75 v1(74.95,156.65)
XCLK1: R27.2 U8.46 U8.49 U8.52 U8.53 | length 13.2
  L1 w0.25: R27.2@121.7,240.7 122.5,241.5 126.5,241.5 126.7,241.7 126.7,242 ; U8.52@125.3,242 126.7,242 ; U8.49@125.3,243.5 126.7,243.5 ; U8.46@128.3,245.5 128.3,244.2 127.6,243.5 126.7,243.5 ; 126.7,242 126.7,243.5
XCLKIN: R27.1 R30.1 U4.11 | length 87.5
  L1 w0.2: U4.11@71.55,201.65 71.55,197.95 72.25,197.35 v1(74.95,197.35)
  L1 w0.5: v1(117.4,240.7) 118.6,240.7 ; R30.1@118.4,240.1 118.6,240.7 ; R27.1@120.1,240.7 118.6,240.7
  L3 w0.3: v1(74.95,197.35) 74.95,207.248 76.45,208.751 76.45,216.95 v1(76.55,217.05)
  L4 w0.3: v1(76.55,217.05) 76.575,217.075 77.575,217.075 80.05,219.55 106.14,219.55 117.4,230.81 v1(117.4,240.7)
XCLKOUT_1: U4.12 U5.11 | length 40.8
  L1 w0.2: U5.11@71.55,181.75 71.55,177.95 72.15,177.35 76.85,177.35 v1(77.05,177.55) ; U4.12@71.95,201.65 71.95,198.25 72.25,197.95 75.55,197.95 v1(77.05,199.45)
  L3 w0.3: v1(77.05,177.55) v1(77.05,199.45)
XCLKOUT_2: U5.12 U6.11 | length 33.4
  L1 w0.2: U6.11@71.55,161.85 71.55,158.284 72.384,157.45 v1(74.15,157.45) ; U5.12@71.95,181.75 71.95,178.35 72.35,177.95 v1(74.05,177.95)
  L3 w0.3: v1(74.05,177.95) 74.05,176.35 74.95,175.45 74.95,161.55 74.15,160.75 v1(74.15,157.45)
XCLKOUT_3: U6.12 U7.11 | length 40.3
  L1 w0.2: U7.11@71.55,141.95 71.55,138.15 72.15,137.55 v1(77.05,137.55) ; U6.12@71.95,161.85 71.95,158.45 72.35,158.05 75.95,158.05 v1(77.05,159.15)
  L3 w0.3: v1(77.05,137.55) v1(77.05,159.15)
XCLKOUT_4: U7.12 U9.11 | length 34.2
  L1 w0.2: U7.12@71.95,141.95 71.95,138.55 72.35,138.15 v1(74.45,138.15) ; U9.11@91.55,141.95 91.55,138.45 92.25,137.75 v1(94.45,137.75)
  L2 w0.3: v1(74.45,138.15) 74.671,138.15 76.571,136.25 92.75,136.25 94.25,137.75 v1(94.45,137.75)
XCLKOUT_5: U9.12 U10.11 | length 38.1
  L1 w0.2: U10.11@91.55,161.85 91.55,158.05 92.05,157.55 v1(97.05,157.55) ; U9.12@91.95,141.95 91.95,138.75 92.35,138.35 97.25,138.35 v1(98.05,139.15)
  L3 w0.3: v1(97.05,157.55) 97.05,140.15 v1(98.05,139.15)
XCLKOUT_6: U10.12 U11.11 | length 37.1
  L1 w0.2: U11.11@91.55,181.75 91.55,177.95 92.05,177.45 96.55,177.45 96.95,177.05 v1(97.05,177.05) ; U10.12@91.95,161.85 91.95,158.45 92.35,158.05 96.45,158.05 96.85,158.45 v1(97.05,158.45)
  L3 w0.3: v1(97.05,158.45) v1(97.05,177.05)
XCLKOUT_7: U11.12 U12.11 | length 37.8
  L1 w0.2: U12.11@91.55,201.65 91.55,197.85 92.15,197.25 96.75,197.25 v1(97.05,197.45) ; U11.12@91.95,181.75 91.95,178.35 92.35,177.95 v1(97.05,177.95)
  L3 w0.3: v1(97.05,177.95) v1(97.05,197.45)
XCLKOUT_8: U12.12 U18.11 | length 34.4
  L1 w0.2: U12.12@91.95,201.65 91.95,198.25 92.45,197.75 96.15,197.75 96.55,198.15 97.65,198.15 98.441,197.359 100.25,195.55 v1(102.05,195.55) ; U18.11@111.55,201.65 111.55,197.85 112.25,197.15 v1(114.15,197.15)
  L3 w0.3: v1(102.05,195.55) 103.65,197.15 v1(114.15,197.15)
XCLKOUT_9: U18.12 U19.11 | length 40.2
  L1 w0.2: U19.11@111.55,181.75 111.55,177.95 112.15,177.35 116.85,177.35 v1(117.05,177.55) ; U18.12@111.95,201.65 111.95,198.15 112.25,197.85 115.95,197.85 v1(117.05,198.95)
  L3 w0.3: v1(117.05,177.55) v1(117.05,198.95)